# KiCad board TRS80_Model_I_Jap20_E1.kicad_pcb
title: TRS-80 Model I Rev HE11E011520; date: 2025-06-14; rev: E1A; company: Marcel Erz
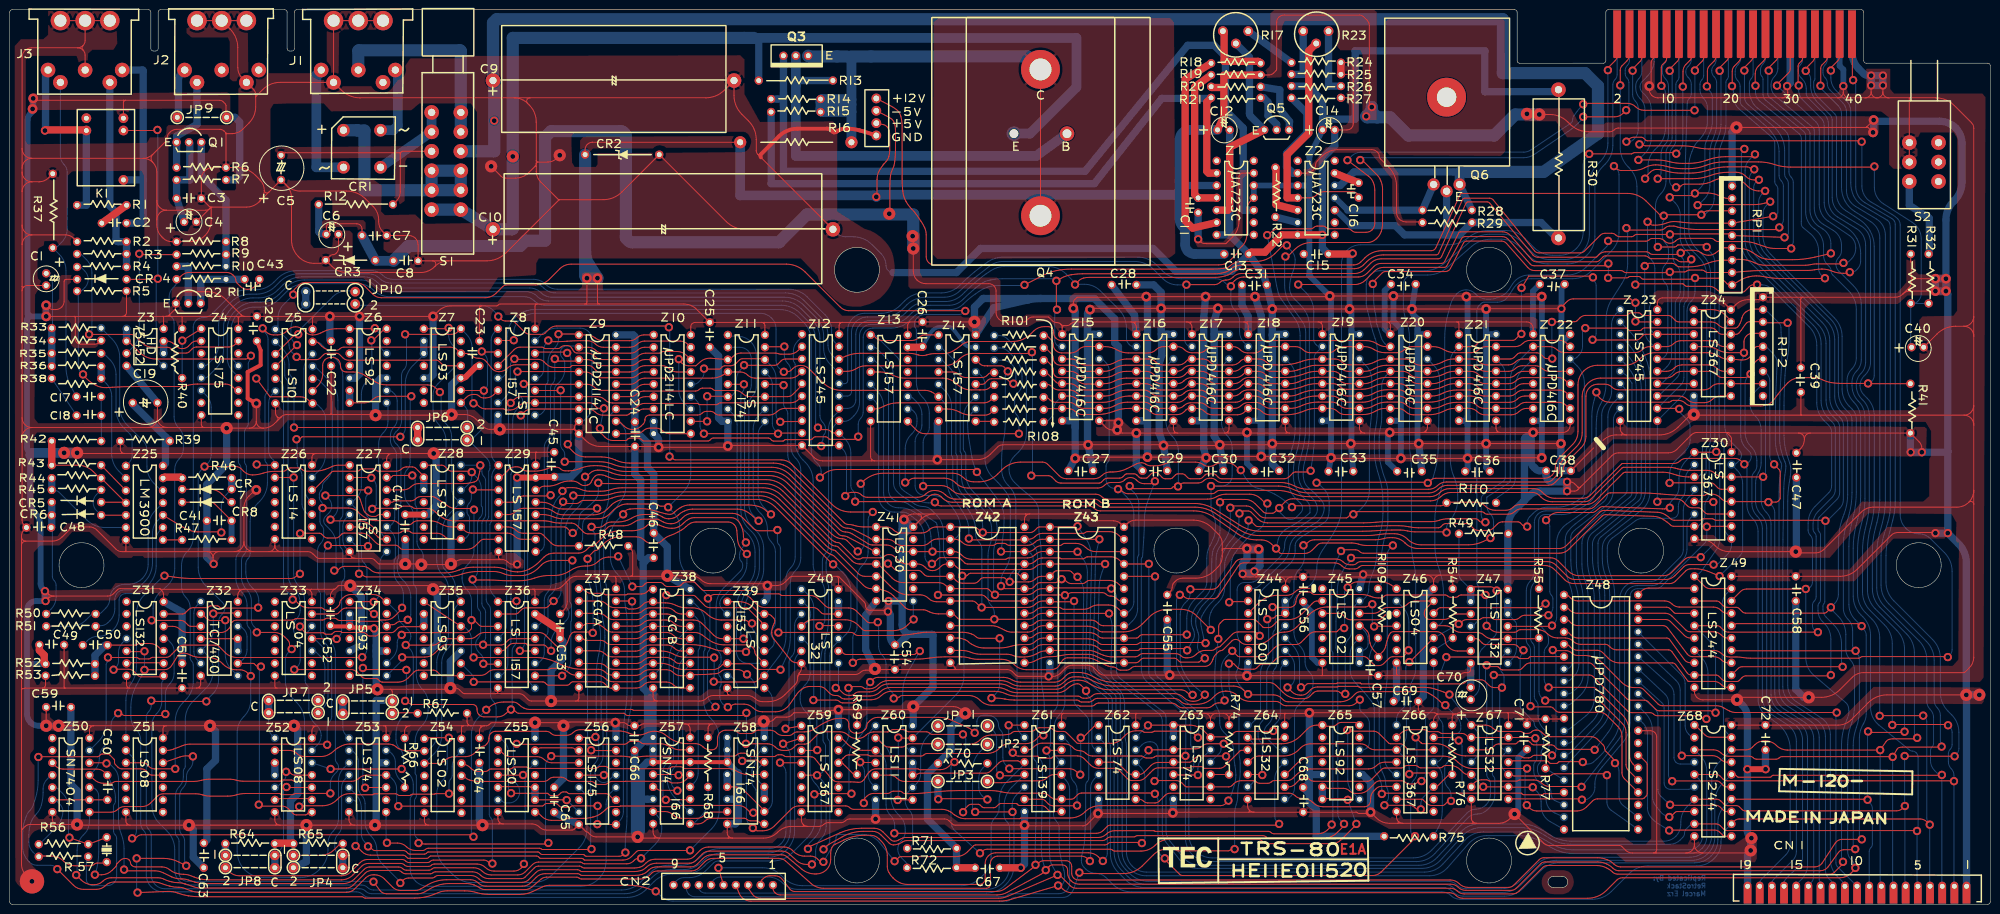
[diagram p0: board, top side]
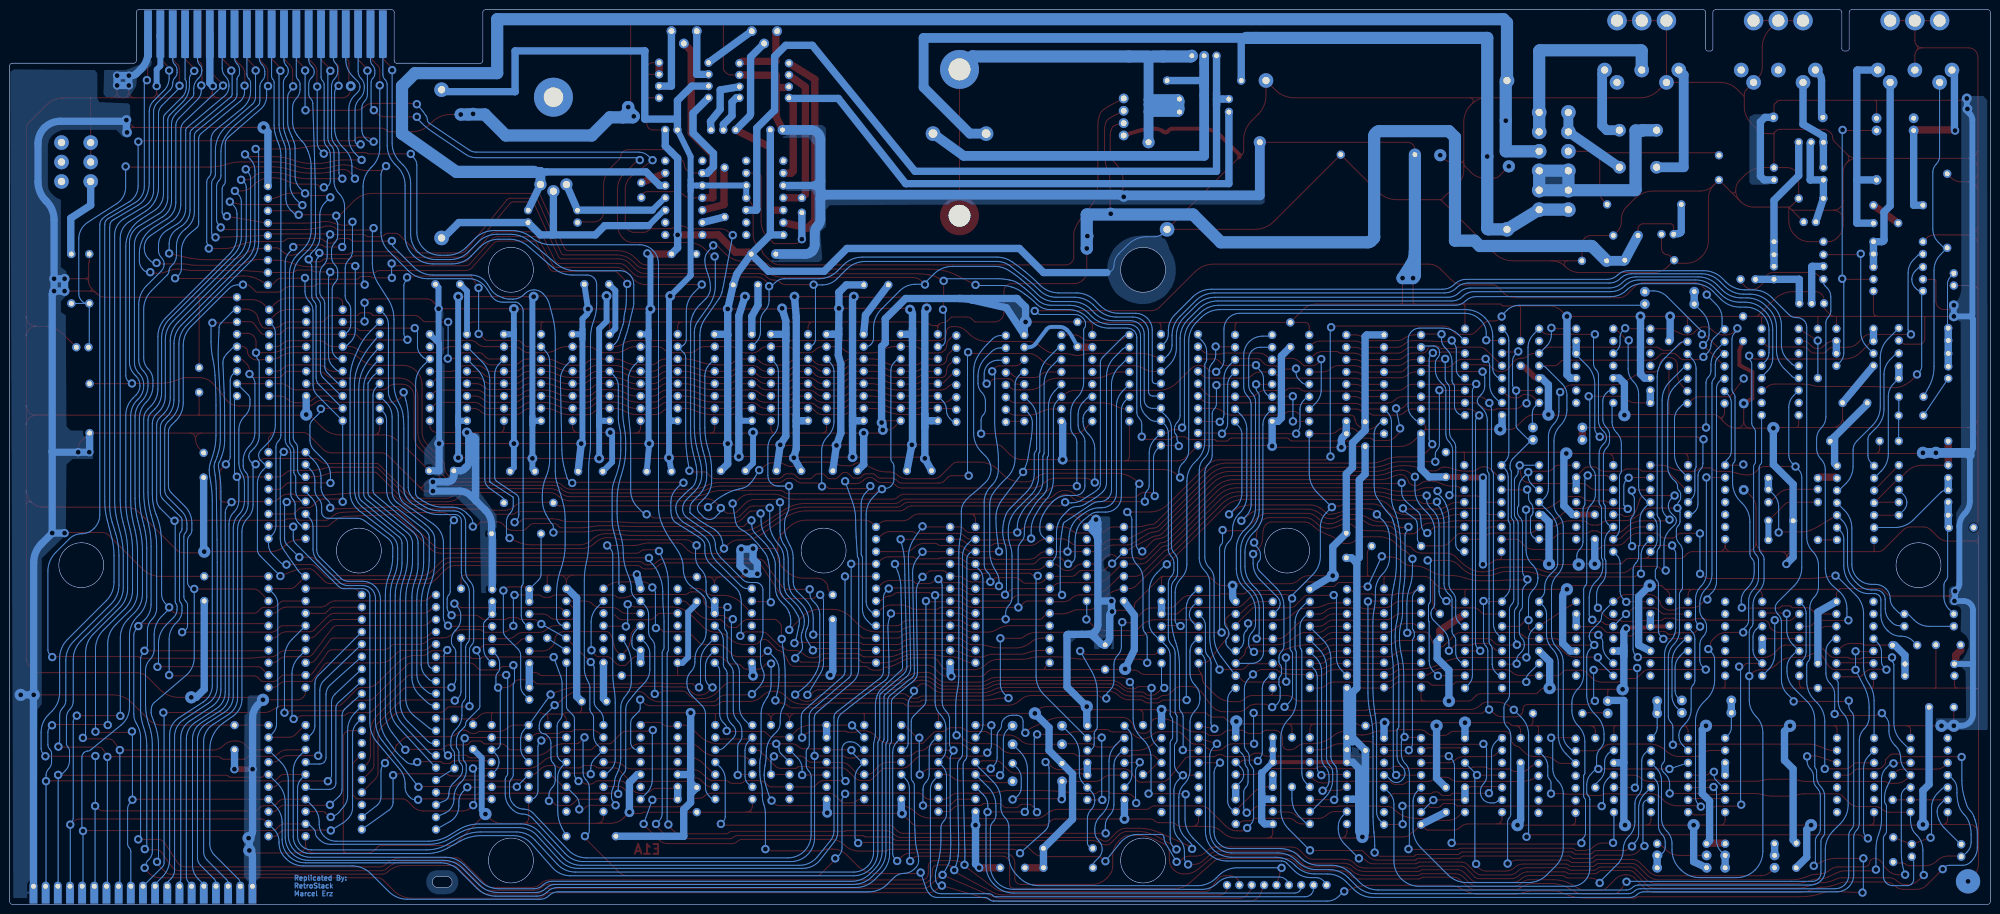
[diagram p1: board, bottom side, seen from below]

Outline 407 x 184 mm; copper layers: Top, Bottom. Coordinates in mm from the lower left corner of the outline.
Outline path: circle c14.75,69.75 r4.62 ; circle c144.5,72.75 r4.62 ; circle c174.1,130.5 r4.62 ; circle c174.1,9 r4.62 ; circle c239.75,72.75 r4.62 ; circle c304,130.5 r4.62 ; circle c304,9 r4.62 ; circle c335.25,72.75 r4.62 ; circle c392.3,69.75 r4.62 ; 0,183.5 0,0.5 arc(0.15,0.15) 0.5,0 406.5,0 arc(406.85,0.15) 407,0.5 407,172.5 arc(406.85,172.85) 406.5,173 381.5,173 arc(381.15,173.15) 381,173.5 381,183.5 arc(380.85,183.85) 380.5,184 328.5,184 arc(328.15,183.85) 328,183.5 328,173.5 arc(327.85,173.15) 327.5,173 310.27,173 arc(309.92,173.14) 309.77,173.5 309.77,183.5 arc(309.62,183.85) 309.27,184 59,184 arc(58.65,183.85) 58.5,183.5 58.5,176 arc(58.35,175.65) 58,175.5 57.5,175.5 arc(57.15,175.65) 57,176 57,183.5 arc(56.85,183.85) 56.5,184 31,184 arc(30.65,183.85) 30.5,183.5 30.5,176 arc(30.35,175.65) 30,175.5 29.5,175.5 arc(29.15,175.65) 29,176 29,183.5 arc(28.85,183.85) 28.5,184 0.5,184 arc(0.15,183.85) 0,183.5 ; 317.24,3.45 arc(316.1,4.59) 317.24,5.73 319.02,5.73 arc(320.17,4.59) 319.02,3.45 317.24,3.45
Stack: Top 0.035mm / dielectric 1.51mm FR4 er 4.5 / Bottom 0.035mm

## Placement (name value [footprint] x y rotation side)
C1  10uF 16V  [TRS80_Model_I_C_Pol_Radial_5D_2.5P_Jap]  7.49 128.52 270 top
C2  0.1uF 12V  [TRS80_Model_I_C_Disc_9.5L_4W_6P_Jap]  21.41 140.06 0 top
C3  0.01uF 24V  [TRS80_Model_I_C_Disc_9.5L_4W_6P_Jap]  36.78 145.14 0 top
C4  10uF 16V  [TRS80_Model_I_C_Pol_Radial_5D_2.5P_Jap]  37.1 140.35 0 top
C5  220uF 16V  [TRS80_Model_I_C_Pol_Radial_10D_5P_Jap]  55.75 151.53 90 top
C6  10uF 16V  [TRS80_Model_I_C_Pol_Radial_5D_2.5P_Jap]  66.31 137.81 180 top
C7  0.01uF 24V  [TRS80_Model_I_C_Disc_9.5L_4W_6P_Jap]  74.88 137.52 0 top
C8  0.1uF 12V  [TRS80_Model_I_C_Disc_9.5L_4W_6P_Jap]  81.33 132.32 0 top
C9  2200uF 35V  [TRS80_Model_I_C_Pol_Axial_41L_19W_48P_Jap]  123.82 169.44 0 top
C10  10000uF 16V  [TRS80_Model_I_C_Pol_Axial_63L_25W_71P_Jap]  134.11 138.83 0 top
C11  1nF  [TRS80_Model_I_C_Disc_9.5L_4W_6P_Small_Jap]  244.22 143.74 270 top
C12  10uF 16V  [TRS80_Model_I_C_Pol_Radial_5D_2.5P_Jap]  249.45 159.28 0 top
C13  0.01uF 24V  [TRS80_Model_I_C_Disc_9.5L_4W_6P_Jap]  252.05 133.71 0 top
C14  10uF 16V  [TRS80_Model_I_C_Pol_Radial_5D_2.5P_Jap]  271.04 159.28 0 top
C15  0.01uF 24V  [TRS80_Model_I_C_Disc_9.5L_4W_6P_Jap]  268.43 133.71 0 top
C16  1nF  [TRS80_Model_I_C_Disc_9.5L_4W_6P_Small_Jap]  277.2 146.83 270 top
C17  220pF  [TRS80_Model_I_C_Disc_9.5L_4W_6P_Jap]  16.21 104.38 0 top
C18  220pF  [TRS80_Model_I_C_Disc_9.5L_4W_6P_Jap]  16.33 100.57 180 top
C19  100uF 16V  [TRS80_Model_I_C_Pol_Radial_10D_5P_Jap]  27.81 103.14 180 top
C20  0.1uF 12V  [TRS80_Model_I_C_Disc_9.5L_4W_6P_Jap]  50.76 118.43 270 top
C22  0.1uF 12V  [TRS80_Model_I_C_Disc_9.5L_4W_6P_Jap]  66 113.35 270 top
C23  0.1uF 12V  [TRS80_Model_I_C_Disc_9.5L_4W_6P_Jap]  96.48 113.35 270 top
C24  0.1uF 12V  [TRS80_Model_I_C_Disc_9.5L_4W_6P_Jap]  128.43 96.75 270 top
C25  0.1uF 12V  [TRS80_Model_I_C_Disc_9.5L_4W_6P_Jap]  143.8 117.19 270 top
C26  0.1uF 12V  [TRS80_Model_I_C_Disc_9.5L_4W_6P_Jap]  187.54 117.29 270 top
C27  0.1uF 25V  [TRS80_Model_I_C_Disc_9.5L_4W_6P_Jap]  220.04 89.14 0 top
C28  0.1uF 12V  [TRS80_Model_I_C_Disc_9.5L_4W_6P_Jap]  228.93 127.36 0 top
C29  0.1uF 12V  [TRS80_Model_I_C_Disc_9.5L_4W_6P_Jap]  235.28 89.14 0 top
C30  0.1uF 25V  [TRS80_Model_I_C_Disc_9.5L_4W_6P_Jap]  246.84 89.14 0 top
C31  0.1uF 12V  [TRS80_Model_I_C_Disc_9.5L_4W_6P_Jap]  255.73 127.36 0 top
C32  0.1uF 12V  [TRS80_Model_I_C_Disc_9.5L_4W_6P_Jap]  258.27 89.14 0 top
C33  0.1uF 25V  [TRS80_Model_I_C_Disc_9.5L_4W_6P_Jap]  273.51 89.01 0 top
C34  0.1uF 12V  [TRS80_Model_I_C_Disc_9.5L_4W_6P_Jap]  286.34 127.49 0 top
C35  0.1uF 12V  [TRS80_Model_I_C_Disc_9.5L_4W_6P_Jap]  287.61 89.01 0 top
C36  0.1uF 25V  [TRS80_Model_I_C_Disc_9.5L_4W_6P_Jap]  301.58 89.01 0 top
C37  0.1uF 12V  [TRS80_Model_I_C_Disc_9.5L_4W_6P_Jap]  316.94 127.49 0 top
C38  0.1uF 12V  [TRS80_Model_I_C_Disc_9.5L_4W_6P_Jap]  318.21 89.14 0 top
C39  0.1uF 12V  [TRS80_Model_I_C_Disc_9.5L_4W_6P_Jap]  368.04 107.89 270 top
C40  10uF 16V  [TRS80_Model_I_C_Pol_Radial_5D_2.5P_Jap]  392.07 114.57 0 top
C41  0.1uF 12V  [TRS80_Model_I_C_Disc_9.5L_4W_6P_Jap]  43 78.85 0 top
C43  100pF  [TRS80_Model_I_C_Disc_9.5L_4W_6P_Small_Jap]  49.83 128.54 0 top
C44  0.1uF 12V  [TRS80_Model_I_C_Disc_9.5L_4W_6P_Jap]  81.24 77.66 270 top
C45  0.1uF 12V  [TRS80_Model_I_C_Disc_9.5L_4W_6P_Jap]  111.85 90.49 270 top
C46  0.1uF 12V  [TRS80_Model_I_C_Disc_9.5L_4W_6P_Jap]  132.3 73.85 270 top
C47  0.1uF 12V  [TRS80_Model_I_C_Disc_9.5L_4W_6P_Jap]  367.12 90.36 270 top
C48  1nF  [TRS80_Model_I_C_Disc_9.5L_4W_6P_Jap]  5.92 77.45 0 top
C49  0.1uF 12V  [TRS80_Model_I_C_Disc_9.5L_4W_6P_Jap]  8.59 53.32 0 top
C50  2.7nF  [TRS80_Model_I_C_Disc_9.5L_4W_6P_Jap]  17.6 53.32 180 top
C51  0.1uF 12V  [TRS80_Model_I_C_Disc_9.5L_4W_6P_Jap]  35.39 47.06 270 top
C52  0.1uF 12V  [TRS80_Model_I_C_Disc_9.5L_4W_6P_Jap]  65.88 59.88 270 top
C53  0.1uF 12V  [TRS80_Model_I_C_Disc_9.5L_4W_6P_Jap]  113.06 57.25 270 top
C54  0.1uF 12V  [TRS80_Model_I_C_Disc_9.5L_4W_6P_Jap]  181.86 50.87 270 top
C55  0.1uF 12V  [TRS80_Model_I_C_Disc_9.5L_4W_6P_Jap]  237.83 61.15 270 top
C56  0.1uF 12V  [TRS80_Model_I_C_Disc_9.5L_4W_6P_Jap]  265.77 64.84 270 top
C57  1nF  [TRS80_Model_I_C_Disc_9.5L_4W_6P_Small_Jap#2]  281.25 48.94 90 top
C58  0.1uF 12V  [TRS80_Model_I_C_Disc_9.5L_4W_6P_Jap]  366.99 64.96 270 top
C59  0.1uF 12V  [TRS80_Model_I_C_Disc_9.5L_4W_6P_Jap]  9.98 40.5 0 top
C60  47pF  [TRS80_Model_I_C_Disc_9.5L_4W_6P_Jap]  20.03 24.07 270 top
C63  0.1uF 12V  [TRS80_Model_I_C_Disc_9.5L_4W_6P_Jap]  39.84 10.1 270 top
C64  0.1uF 12V  [TRS80_Model_I_C_Disc_9.5L_4W_6P_Jap]  96.48 31.69 270 top
C65  0.1uF 12V  [TRS80_Model_I_C_Disc_9.5L_4W_6P_Jap]  111.85 21.53 270 top
C66  0.1uF 12V  [TRS80_Model_I_C_Disc_9.5L_4W_6P_Jap]  128.36 34.23 270 top
C67  0.1uF 12V  [TRS80_Model_I_C_Disc_9.5L_4W_6P_Jap]  200.87 7.48 0 top
C68  0.1uF 12V  [TRS80_Model_I_C_Disc_9.5L_4W_6P_Jap]  265.77 21.53 270 top
C69  0.1uF 12V  [TRS80_Model_I_C_Disc_9.5L_4W_6P_Jap]  286.97 41.77 180 top
C70  22uF 16V  [TRS80_Model_I_C_Pol_Radial_5D_2.5P_Jap]  300.23 43.35 90 top
C71  0.1uF 12V  [TRS80_Model_I_C_Disc_9.5L_4W_6P_Jap]  311.75 34.48 270 top
C72  0.1uF 12V  [TRS80_Model_I_C_Disc_9.5L_4W_6P_Jap]  360.77 34.36 270 top
CN1  Connection Mainboard Side  [TRS80_Model_I_Keyboard_Connector_Jap]  379.62 3.7 0 top
CN2  Conn_01x09  [TRS80_Model_I_Keyboard_Connector_Small_Jap]  146.68 3.96 0 top
CR1  MDA202  [TRS80_Model_I_D_Bridge_Jap]  72.71 155.59 0 top
CR2  1N4735  [TRS80_Model_I_D_Zener_Long_Jap]  125.92 154.2 0 top
CR3  1N5231  [TRS80_Model_I_D_Zener_Jap]  69.97 132.48 0 top
CR4  1N4148  [TRS80_Model_I_D_Jap]  18.92 128.54 0 top
CR5  1N4148  [TRS80_Model_I_D_Jap]  13.71 82.7 0 top
CR6  1N4148  [TRS80_Model_I_D_Jap]  13.71 80.03 0 top
CR7  1N4148  [TRS80_Model_I_D_Jap]  40.51 85.36 0 top
CR8  1N4148  [TRS80_Model_I_D_Jap]  40.51 82.7 0 top
J1  Front View  [TRS80_Model_I_DIN5_Jap#2]  71.75 175.15 180 top
J2  Front View  [TRS80_Model_I_DIN5_Jap]  43.69 175.15 180 top
J3  Front View  [TRS80_Model_I_DIN5_Jap#3]  15.62 175.15 180 top
J4  Edge Connector  [TRS80_Model_I_Edge_Connector_Jap]  353.19 178.96 0 top
JP1  TRS80_Model_I_Jumper_2_Jap  [TRS80_Model_I_Jumper_2_Open_Jap]  195.83 36.7 180 top
JP2  TRS80_Model_I_Jumper_2_Jap  [TRS80_Model_I_Jumper_2_Open_Jap]  195.83 32.89 180 top
JP3  TRS80_Model_I_Jumper_2_Jap  [TRS80_Model_I_Jumper_2_Open_Jap]  195.83 25.27 180 top
JP4  TRS80_Model_I_Jumper_3_Jap  [TRS80_Model_I_Jumper_3_Open_Jap]  63.37 8.8 0 top
JP5  TRS80_Model_I_Jumper_3_Jap  [TRS80_Model_I_Jumper_3_Open_HFlipped_Jap]  73.53 40.55 0 top
JP6  TRS80_Model_I_Jumper_3_Jap  [TRS80_Model_I_Jumper_3_Open_HFlipped_VFlipped_Jap]  88.9 96.81 0 top
JP7  TRS80_Model_I_Jumper_3_Jap  [TRS80_Model_I_Jumper_3_Open_HFlipped_VFlipped_Jap]  58.29 40.68 0 top
JP8  TRS80_Model_I_Jumper_3_Jap  [TRS80_Model_I_Jumper_3_Open_Jap]  49.4 8.8 0 top
JP9  TRS80_Model_I_Jumper_2_Jap  [TRS80_Model_I_Jumper_2_Open_Jap]  39.5 161.84 180 top
JP10  TRS80_Model_I_Jumper_3_Jap  [TRS80_Model_I_Jumper_3_Open_HFlipped_Big_Jap]  65.91 124.75 0 top
K1  Relay_SPDT  [TRS80_Model_I_Relay_Jap]  19.76 155.63 0 top
Q1  C1815  [TRS80_Model_I_Q_Circle_ECB_Jap]  36.83 156.74 0 top
Q2  A1015  [TRS80_Model_I_Q_Circle_ECB_Jap]  36.7 123.59 0 top
Q3  TIP29A  [TRS80_Model_I_Q_Box_BCE_Jap]  161.69 174.55 0 top
Q4  2N6594  [TRS80_Model_I_Q_Heatsink_Large_BEC_Jap]  211.83 156.99 0 top
Q5  A1015  [TRS80_Model_I_Q_Circle_ECB_Jap]  260.35 159.28 0 top
Q6  MJE34  [TRS80_Model_I_Q_Heatsink_Small_BCE_Jap]  295.27 166.01 0 top
R1  100  [TRS80_Model_I_R_0.25W_Jap]  18.92 143.85 180 top
R2  1.2k  [TRS80_Model_I_R_0.25W_Jap]  18.92 136.23 0 top
R3  7.5k  [TRS80_Model_I_R_0.25W_Jap]  18.92 133.69 0 top
R4  7.5k  [TRS80_Model_I_R_0.25W_Jap]  18.92 131.15 180 top
R5  220k  [TRS80_Model_I_R_0.25W_Jap]  18.92 126.07 0 top
R6  75  [TRS80_Model_I_R_0.25W_Jap]  39.37 151.47 0 top
R7  47  [TRS80_Model_I_R_0.25W_Jap]  39.37 149.05 180 top
R8  330  [TRS80_Model_I_R_0.25W_Jap]  39.37 136.35 180 top
R9  120  [TRS80_Model_I_R_0.25W_Jap]  39.37 133.69 180 top
R10  270  [TRS80_Model_I_R_0.25W_Jap]  39.37 131.15 0 top
R11  10k  [TRS80_Model_I_R_0.25W_Jap]  39.37 128.48 0 top
R12  220  [TRS80_Model_I_R_0.5W_Jap]  71.12 143.91 0 top
R13  68  [TRS80_Model_I_R_0.5W_Jap]  161.54 169.4 0 top
R14  2.7k  [TRS80_Model_I_R_0.25W_Jap]  161.54 165.56 0 top
R15  750  [TRS80_Model_I_R_0.25W_Jap]  161.54 163.02 180 top
R16  0.33  [TRS80_Model_I_R_2W_Jap]  161.54 156.74 180 top
R17  1k  [TRS80_Model_I_R_Pot_Jap]  251.97 178.84 0 top
R18  1.2k  [TRS80_Model_I_R_0.25W_Jap]  251.97 173.06 180 top
R19  1.2k  [TRS80_Model_I_R_0.25W_Jap]  251.97 170.64 180 top
R20  100k  [TRS80_Model_I_R_0.25W_Jap]  251.97 168.23 180 top
R21  3.3k  [TRS80_Model_I_R_0.25W_Jap]  251.97 165.82 0 top
R22  1.5k  [TRS80_Model_I_R_0.25W_Jap]  260.16 146.45 90 top
R23  1k  [TRS80_Model_I_R_Pot_Jap]  268.48 178.84 0 top
R24  3.3k  [TRS80_Model_I_R_0.25W_Jap]  268.48 173.06 0 top
R25  3.3k  [TRS80_Model_I_R_0.25W_Jap]  268.48 170.64 0 top
R26  2.2k  [TRS80_Model_I_R_0.25W_Jap]  268.48 168.23 0 top
R27  12k  [TRS80_Model_I_R_0.25W_Jap]  268.48 165.82 0 top
R28  1.2k  [TRS80_Model_I_R_0.25W_Jap]  295.4 142.83 180 top
R29  2k  [TRS80_Model_I_R_0.25W_Jap]  295.4 140.29 180 top
R30  5.6  [TRS80_Model_I_R_3W_Jap]  318.26 151.68 270 top
R31  10k  [TRS80_Model_I_R_0.25W_Jap]  390.59 128.67 270 top
R32  100  [TRS80_Model_I_R_0.25W_Jap]  394.4 128.67 90 top
R33  1M  [TRS80_Model_I_R_0.25W_Jap]  13.71 118.45 0 top
R34  10k  [TRS80_Model_I_R_0.25W_Jap]  13.71 115.91 0 top
R35  680k  [TRS80_Model_I_R_0.25W_Jap]  13.71 113.24 0 top
R36  1.8M  [TRS80_Model_I_R_0.25W_Jap]  13.71 110.7 180 top
R37  220  [TRS80_Model_I_R_0.5W_Jap]  8.8 142.64 270 top
R38  360k  [TRS80_Model_I_R_0.25W_Jap]  13.71 108.1 0 top
R39  10  [TRS80_Model_I_R_0.25W_Jap]  27.81 95.33 180 top
R40  4.7k  [TRS80_Model_I_R_0.25W_Jap]  35.37 113.3 270 top
R41  4.7k  [TRS80_Model_I_R_0.25W_Jap]  390.65 102 90 top
R42  360k  [TRS80_Model_I_R_0.25W_Jap]  13.71 95.33 180 top
R43  560k  [TRS80_Model_I_R_0.25W_Jap]  13.71 90.25 0 top
R44  470k  [TRS80_Model_I_R_0.25W_Jap]  13.71 87.71 180 top
R45  470k  [TRS80_Model_I_R_0.25W_Jap]  13.71 85.17 0 top
R46  470k  [TRS80_Model_I_R_0.25W_Jap]  40.51 87.71 180 top
R47  470k  [TRS80_Model_I_R_0.25W_Jap]  40.51 75.01 180 top
R48  4.7k  [TRS80_Model_I_R_0.25W_Jap]  122.05 73.74 180 top
R49  10k  [TRS80_Model_I_R_0.25W_Jap]  302.89 76.28 180 top
R50  470k  [TRS80_Model_I_R_0.25W_Jap]  12.57 59.65 0 top
R51  1M  [TRS80_Model_I_R_0.25W_Jap]  12.57 57.11 0 top
R52  8.2k  [TRS80_Model_I_R_0.25W_Jap]  12.44 49.49 180 top
R53  8.2k  [TRS80_Model_I_R_0.25W_Jap]  12.44 46.95 0 top
R54  4.7k  [TRS80_Model_I_R_0.25W_Jap]  296.48 59.84 270 top
R55  4.7k  [TRS80_Model_I_R_0.25W_Jap]  314.2 59.84 270 top
R56  910  [TRS80_Model_I_R_0.25W_Jap]  11.05 12.4 180 top
R57  910  [TRS80_Model_I_R_0.25W_Jap]  11.05 9.86 180 top
R64  4.7k  [TRS80_Model_I_R_0.25W_Jap]  49.4 12.53 180 top
R65  4.7k  [TRS80_Model_I_R_0.25W_Jap]  63.37 12.53 180 top
R66  4.7k  [TRS80_Model_I_R_0.25W_Jap]  81.21 29.1 90 top
R67  4.7k  [TRS80_Model_I_R_0.25W_Jap]  88.9 39.2 0 top
R68  4.7k  [TRS80_Model_I_R_0.25W_Jap]  143.57 29.23 90 top
R69  4.7k  [TRS80_Model_I_R_0.25W_Jap]  174.05 31.77 270 top
R70  4.7k  [TRS80_Model_I_R_0.25W_Jap]  195.83 29.04 180 top
R71  4.7k  [TRS80_Model_I_R_0.25W_Jap]  189.51 11.45 0 top
R72  4.7k  [TRS80_Model_I_R_0.25W_Jap]  189.48 7.45 0 top
R74  4.7k  [TRS80_Model_I_R_0.25W_Jap]  250.51 31.77 270 top
R75  330  [TRS80_Model_I_R_0.25W_Jap]  287.53 13.93 0 top
R76  4.7k  [TRS80_Model_I_R_0.25W_Jap]  296.35 31.77 270 top
R77  4.7k  [TRS80_Model_I_R_0.25W_Jap]  315.53 33.04 270 top
R101  330  [TRS80_Model_I_R_0.25W_Jap]  207.39 117.05 180 top
R102  330  [TRS80_Model_I_R_0.25W_Jap]  207.39 114.51 180 top
R103  330  [TRS80_Model_I_R_0.25W_Jap]  207.39 111.97 180 top
R104  330  [TRS80_Model_I_R_0.25W_Jap]  207.39 109.43 180 top
R105  330  [TRS80_Model_I_R_0.25W_Jap]  207.39 106.89 180 top
R106  330  [TRS80_Model_I_R_0.25W_Jap]  207.39 104.35 180 top
R107  330  [TRS80_Model_I_R_0.25W_Jap]  207.39 101.81 180 top
R108  330  [TRS80_Model_I_R_0.25W_Jap]  207.39 99.27 180 top
R109  330  [TRS80_Model_I_R_0.25W_Jap]  281.11 59.84 270 top
R110  330  [TRS80_Model_I_R_0.25W_Jap]  300.35 82.63 180 top
RP1  4.7k  [TRS80_Model_I_R_Array_09_Jap]  353.95 137.56 270 top
RP2  4.7k  [TRS80_Model_I_R_Array_09_Jap]  360.3 114.7 270 top
S1  ~  [TRS80_Model_I_Sw_Large_Jap]  89.87 152.64 270 top
S2  Reset  [TRS80_Model_I_Sw_Small_Jap]  393.37 154.2 270 top
TP1  ~  [TRS80_Model_I_TestPoints]  178.05 161.94 0 top
Y1  10.6445 MHz  [TRS80_Model_I_Crystal_Jap]  19.94 11.21 90 top
Z1  LM723C  [TRS80_Model_I_DIP14_Jap]  251.84 145.31 270 top
Z2  LM723C  [TRS80_Model_I_DIP14_Jap]  268.48 145.31 270 top
Z3  75452  [TRS80_Model_I_DIP8_Jap]  27.81 114.57 270 top
Z4  74LS175  [TRS80_Model_I_DIP16_Jap]  43.18 109.49 270 top
Z5  74LS10  [TRS80_Model_I_DIP14_Jap]  58.42 110.64 270 top
Z6  74LS92  [TRS80_Model_I_DIP14_Jap]  73.66 110.76 270 top
Z7  74LS93  [TRS80_Model_I_DIP14_Jap]  88.9 110.76 270 top
Z8  74LS157  [TRS80_Model_I_DIP16_Jap]  104.14 109.49 270 top
Z9  SRAM_2114  [TRS80_Model_I_DIP18_Jap]  120.78 106.95 270 top
Z10  SRAM_2114  [TRS80_Model_I_DIP18_Jap]  136.14 106.95 270 top
Z11  74LS174  [TRS80_Model_I_DIP16_Jap]  151.38 108.22 270 top
Z12  74LS245  [TRS80_Model_I_DIP20_Jap]  166.62 105.81 270 top
Z13  74LS157  [TRS80_Model_I_DIP16_Jap]  180.72 108.22 270 top
Z14  74LS157  [TRS80_Model_I_DIP16_Jap]  194.69 108.22 270 top
Z15  DRAM_4116  [TRS80_Model_I_DIP16_Jap]  220.09 108.35 270 top
Z16  DRAM_4116  [TRS80_Model_I_DIP16_Jap]  235.33 108.35 270 top
Z17  DRAM_4116  [TRS80_Model_I_DIP16_Jap]  246.76 108.35 270 top
Z18  DRAM_4116  [TRS80_Model_I_DIP16_Jap]  258.32 108.35 270 top
Z19  DRAM_4116  [TRS80_Model_I_DIP16_Jap]  273.56 108.35 270 top
Z20  DRAM_4116  [TRS80_Model_I_DIP16_Jap]  287.53 108.35 270 top
Z21  DRAM_4116  [TRS80_Model_I_DIP16_Jap]  301.62 108.35 270 top
Z22  DRAM_4116  [TRS80_Model_I_DIP16_Jap]  316.86 108.35 270 top
Z23  74LS245  [TRS80_Model_I_DIP20_Jap]  334.77 110.89 270 top
Z24  74LS367  [TRS80_Model_I_DIP16_Jap]  349.88 113.43 270 top
Z25  LM3900  [TRS80_Model_I_DIP14_Jap]  27.68 82.57 270 top
Z26  74LS14  [TRS80_Model_I_DIP14_Jap]  58.29 82.7 270 top
Z27  74LS157  [TRS80_Model_I_DIP16_Jap]  73.66 81.43 270 top
Z28  74LS93  [TRS80_Model_I_DIP14_Jap]  88.9 82.7 270 top
Z29  74LS157  [TRS80_Model_I_DIP16_Jap]  104.27 81.43 270 top
Z30  74LS367  [TRS80_Model_I_DIP16_Jap]  350.01 84.09 270 top
Z31  74LS132  [TRS80_Model_I_DIP14_Jap]  27.81 54.63 270 top
Z32  74C00  [TRS80_Model_I_DIP14_Jap]  43.05 54.63 270 top
Z33  74LS04  [TRS80_Model_I_DIP14_Jap]  58.29 54.63 270 top
Z34  74LS93  [TRS80_Model_I_DIP14_Jap]  73.66 54.63 270 top
Z35  74LS93  [TRS80_Model_I_DIP14_Jap]  88.9 54.63 270 top
Z36  74LS157  [TRS80_Model_I_DIP16_Jap]  104.14 53.36 270 top
Z37  MCM6670  [TRS80_Model_I_DIP18_Jap]  120.78 54.76 270 top
Z38  MCM6670  [TRS80_Model_I_DIP18_Jap]  136.01 54.63 270 top
Z39  74LS153  [TRS80_Model_I_DIP16_Jap]  151.25 53.36 270 top
Z40  74LS32  [TRS80_Model_I_DIP14_Jap]  166.5 57.17 270 top
Z41  74LS30  [TRS80_Model_I_DIP14_Jap]  181.86 70 270 top
Z42  2364_20L  [TRS80_Model_I_DIP24_Jap]  200.91 63.65 270 top
Z43  2332_20L_21L  [TRS80_Model_I_DIP24_Jap]  221.36 63.65 270 top
Z44  74LS00  [TRS80_Model_I_DIP14_Jap]  258.32 57.3 270 top
Z45  74LS02  [TRS80_Model_I_DIP14_Jap]  273.56 57.3 270 top
Z46  74LS04  [TRS80_Model_I_DIP14_Jap]  288.8 57.3 270 top
Z47  74LS132  [TRS80_Model_I_DIP14_Jap]  304.04 57.17 270 top
Z48  Z80CPU  [TRS80_Model_I_DIP40_Jap]  327.02 39.52 270 top
Z49  74LS244  [TRS80_Model_I_DIP20_Jap]  350.01 56.03 270 top
Z50  7404  [TRS80_Model_I_DIP14_Jap]  12.57 26.56 270 top
Z51  74LS08  [TRS80_Model_I_DIP14_Jap]  27.68 26.56 270 top
Z52  74LS08  [TRS80_Model_I_DIP14_Jap]  58.29 26.56 270 top
Z53  74LS74  [TRS80_Model_I_DIP14_Jap]  73.53 26.56 270 top
Z54  74LS02  [TRS80_Model_I_DIP14_Jap]  89.03 26.44 270 top
Z55  74LS20  [TRS80_Model_I_DIP14_Jap]  104.14 26.56 270 top
Z56  74LS175  [TRS80_Model_I_DIP16_Jap]  120.78 25.29 270 top
Z57  74LS166  [TRS80_Model_I_DIP16_Jap]  136.01 25.42 270 top
Z58  74LS166  [TRS80_Model_I_DIP16_Jap]  151.25 25.42 270 top
Z59  74LS367  [TRS80_Model_I_DIP16_Jap]  166.5 27.83 270 top
Z60  74LS11  [TRS80_Model_I_DIP14_Jap]  181.74 29.1 270 top
Z61  74LS139  [TRS80_Model_I_DIP16_Jap]  212.34 27.96 270 top
Z62  74LS74  [TRS80_Model_I_DIP14_Jap]  227.58 29.23 270 top
Z63  74LS74  [TRS80_Model_I_DIP14_Jap]  242.95 29.23 270 top
Z64  74LS32  [TRS80_Model_I_DIP14_Jap]  258.19 29.23 270 top
Z65  74LS92  [TRS80_Model_I_DIP14_Jap]  273.56 29.23 270 top
Z66  74LS367  [TRS80_Model_I_DIP16_Jap]  288.8 27.96 270 top
Z67  74LS32  [TRS80_Model_I_DIP14_Jap]  304.16 29.23 270 top
Z68  74LS244  [TRS80_Model_I_DIP20_Jap]  350.01 25.42 270 top

## Library data of the parts
C1 C4-C6 C9 C10 C12 C14 C19 C40 C70 = -: ki_fp_filters: CP_*
C2 C3 C7 C8 C11 C13 C15-C18 C20 C22-C39 C41 C43-C60 C63-C69 C71 C72 = -: ki_fp_filters: C_*
CN1 = -: Description: Generic connector, single row, 01x19, script generated (kicad-library-utils/schlib/autogen/connector/); ki_fp_filters: Connector*:*_1x??_*
CN2 = -: Description: Generic connector, single row, 01x09, script generated (kicad-library-utils/schlib/autogen/connector/); ki_fp_filters: Connector*:*_1x??_*
CR1 = -: ki_fp_filters: D*Bridge* D*Rectifier*
CR2 CR3 = -: ki_fp_filters: TO-???* *_Diode_* *SingleDiode* D_*
CR4-CR8 = -: Sim.Device: D; Sim.Pins: 1=K 2=A; ki_fp_filters: TO-???* *_Diode_* *SingleDiode* D_*
J1-J3 = -: Datasheet: http://www.mouser.com/ds/2/18/40_c091_abd_e-75918.pdf; ki_fp_filters: DIN*
J4 = -: ki_fp_filters: Connector*:*_2x??_*
JP1-JP10 = -: Description: Jumper, 2-pole, small symbol, open; ki_fp_filters: Jumper* TestPoint*2Pads* TestPoint*Bridge*
K1 = -: Description: Relay SPDT; ki_fp_filters: Relay?SPST*
Q1 = -: Datasheet: https://media.digikey.com/pdf/Data%20Sheets/Toshiba%20PDFs/2SC1815.pdf; Description: 0.15A Ic, 50V Vce, Low Noise Audio NPN Transistor, TO-92; ki_fp_filters: TO?92*
Q2 Q5 = -: Datasheet: http://www.datasheetcatalog.org/datasheet/toshiba/905.pdf; Description: -0.15A Ic, -50V Vce, Low Noise Audio PNP Transistor, TO-92; ki_fp_filters: TO?92*
R1-R16 R18-R22 R24-R53 R55-R57 R65-R72 R74-R77 R101-R110 = -: ki_fp_filters: R_*
R17 R23 = -: ki_fp_filters: Potentiometer*
R54 R64 = -: Description: Resistor; ki_fp_filters: R_*
RP1 RP2 = -: Datasheet: http://www.vishay.com/docs/31509/csc.pdf; Description: 8 resistor network, star topology, bussed resistors, small symbol; ki_fp_filters: R?Array?SIP*
Y1 = -: ki_fp_filters: Crystal*
Z1 Z2 = -: Datasheet: http://www.ti.com/lit/ds/symlink/lm723.pdf
Z3 = -: Datasheet: https://www.ti.com/lit/ds/symlink/sn75452b.pdf; Description: Dual-Peripheral Drivers for High-Current, High-Speed Switching
Z4 = -: Datasheet: http://www.ti.com/lit/gpn/sn74LS175; Description: 4-bit D Flip-Flop, reset; ki_fp_filters: DIP?16*
Z5 = -: Datasheet: http://www.ti.com/lit/gpn/sn74LS10; Description: Triple 3-input NAND; ki_fp_filters: DIP*W7.62mm*
Z6 Z65 = -: Datasheet: http://www.ti.com/lit/gpn/sn74LS92; ki_fp_filters: DIP*W7.62mm*
Z7 Z28 Z34 Z35 = -: Datasheet: http://www.ti.com/lit/gpn/sn74LS93; ki_fp_filters: DIP*W7.62mm*
Z8 Z27 Z29 Z36 = -: Datasheet: http://www.ti.com/lit/gpn/sn74LS157; ki_fp_filters: DIP?16*
Z9 Z10 = -: Description: 2114 4kBit x 4 Bit Static RAM
Z11 = -: Datasheet: http://www.ti.com/lit/gpn/sn74LS174; ki_fp_filters: DIP?16*
Z12 Z23 = -: Datasheet: http://www.ti.com/lit/gpn/sn74LS245; Description: Octal BUS Transceivers, 3-State outputs; ki_fp_filters: DIP?20*